# KiCad board Parallel.kicad_pcb (continued)
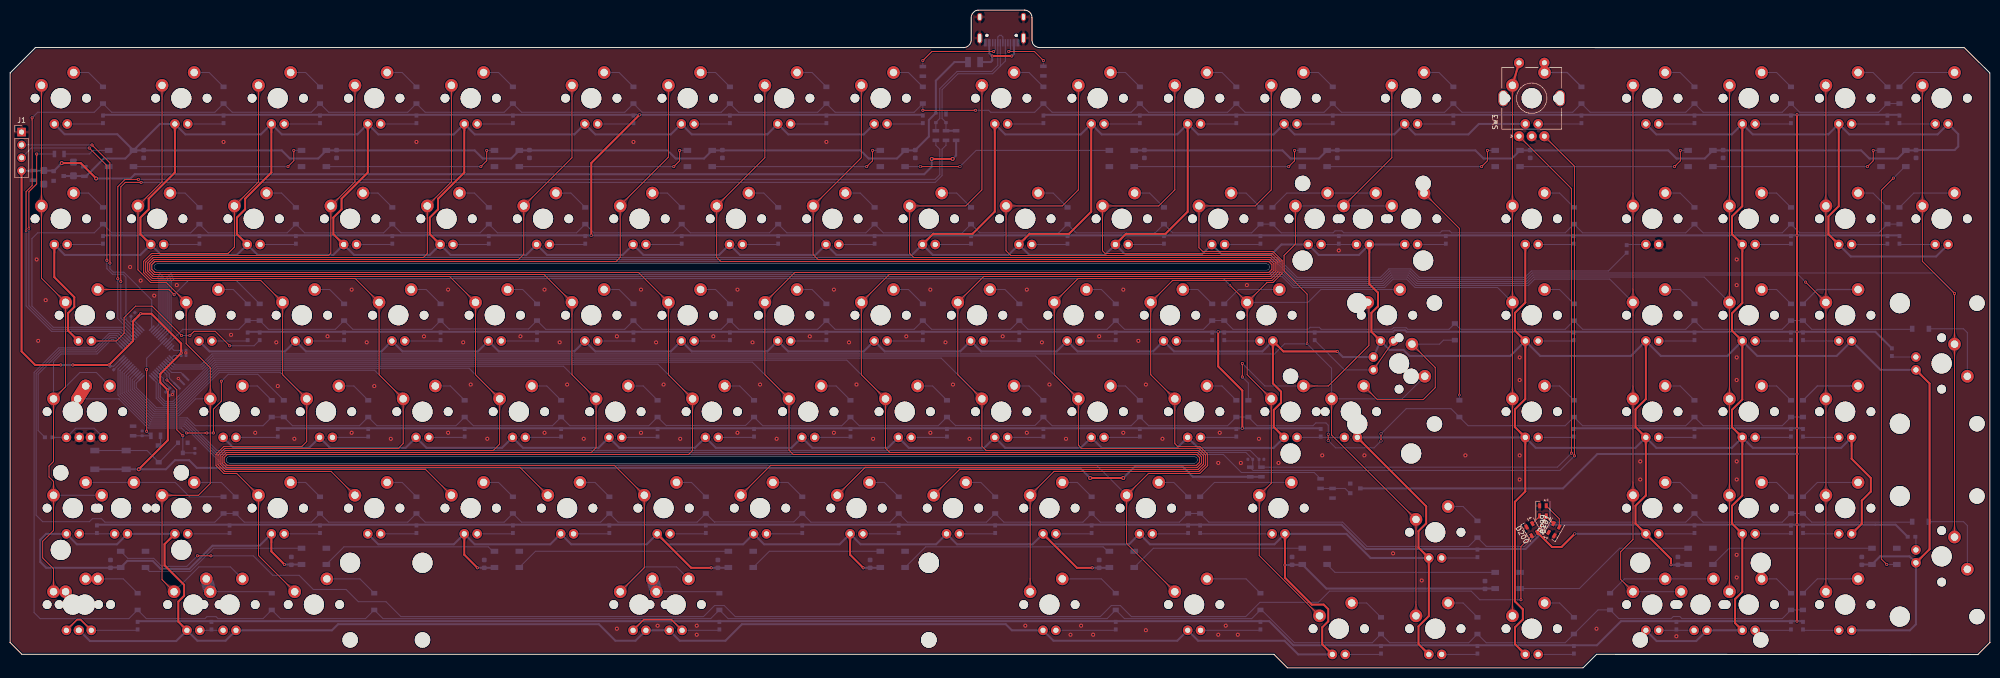
[diagram p0: board, top side]
## Copper pours and planes (outline as drawn; the poured copper is in the pictures) (continued)
Net-(D79-Pad1) on Bottom: 108.58,83.72 107.2,84.29 106.04,83.62 107.2,82.96 108.58,83.52
Net-(D80-Pad1) on Bottom: 165.73,83.72 164.35,84.29 163.19,83.62 164.35,82.96 165.73,83.52
Net-(D81-Pad1) on Bottom: 89.53,83.72 88.15,84.29 86.99,83.62 88.15,82.96 89.53,83.52
Net-(D82-Pad1) on Bottom: 146.68,83.72 145.3,84.29 144.14,83.62 145.3,82.96 146.68,83.52
Net-(D83-Pad1) on Bottom: 184.78,83.72 183.4,84.29 182.24,83.62 183.4,82.96 184.78,83.52
Net-(D84-Pad1) on Bottom: 70.48,83.72 69.1,84.29 67.94,83.62 69.1,82.96 70.48,83.52
Net-(D85-Pad1) on Bottom: 127.63,83.72 126.25,84.29 125.09,83.62 126.25,82.96 127.63,83.52
Net-(D86-Pad1) on Bottom: 203.83,83.72 202.45,84.29 201.29,83.62 202.45,82.96 203.83,83.52
Net-(D87-Pad1) on Bottom: 51.43,83.72 50.05,84.29 48.89,83.62 50.05,82.96 51.43,83.52
Net-(D88-Pad1) on Bottom: 378.15,107.33 379.52,106.77 380.68,107.43 379.52,108.1 378.15,107.53
Net-(D89-Pad1) on Bottom: 222.88,83.72 221.5,84.29 220.34,83.62 221.5,82.96 222.88,83.52
Net-(D90-Pad1) on Bottom: 32.38,83.72 31,84.29 29.84,83.62 31,82.96 32.38,83.52
Net-(D91-Pad1) on Bottom: 365.75,107.53 364.37,108.1 363.22,107.43 364.37,106.77 365.75,107.33
Net-(D92-Pad1) on Bottom: 241.93,83.72 240.55,84.29 239.39,83.62 240.55,82.96 241.93,83.52
Net-(D93-Pad1) on Bottom: 13.33,83.72 11.95,84.29 10.79,83.62 11.95,82.96 13.33,83.52
Net-(D94-Pad1) on Bottom: 346.7,107.53 345.32,108.1 344.17,107.43 345.32,106.77 346.7,107.33
Net-(D96-Pad1) on Bottom: 46.67,45.62 45.29,46.19 44.13,45.52 45.29,44.86 46.67,45.42
Net-(D97-Pad1) on Bottom: 280.03,83.72 278.65,84.29 277.49,83.62 278.65,82.96 280.03,83.52
Net-(D98-Pad1) on Bottom: 175.25,64.67 173.88,65.24 172.72,64.57 173.88,63.9 175.25,64.47
Net-(D99-Pad1) on Bottom: 65.72,45.62 64.34,46.19 63.18,45.52 64.34,44.86 65.72,45.42
Net-(D100-Pad1) on Bottom: 41.9,64.67 40.52,65.24 39.37,64.57 40.52,63.91 41.9,64.47
Net-(D101-Pad1) on Bottom: 137.15,64.67 135.77,65.24 134.62,64.57 135.77,63.91 137.15,64.47
Net-(D102-Pad1) on Bottom: 118.1,64.67 116.73,65.24 115.57,64.57 116.73,63.9 118.1,64.47
Net-(D103-Pad2) on Bottom: 9.05,45.42 10.43,44.85 11.59,45.52 10.43,46.19 9.05,45.62
Net-(D103-Pad2) on Bottom: 16.89,46.91 17.46,45.53 18.75,45.19 18.4,46.47 17.03,47.05
Net-(D103-Pad2) on Bottom: 12.5,47.05 11.12,46.47 10.77,45.18 12.06,45.53 12.64,46.91
Net-(D104-Pad1) on Bottom: 156.2,64.67 154.83,65.24 153.67,64.57 154.83,63.9 156.2,64.47
Net-(D105-Pad1) on Bottom: 80,64.67 78.62,65.24 77.47,64.57 78.62,63.91 80,64.47
Net-(D106-Pad1) on Top: 18.09,64.67 16.71,65.24 15.56,64.57 16.71,63.91 18.09,64.47
Net-(D107-Pad1) on Bottom: 84.77,45.62 83.39,46.19 82.23,45.52 83.39,44.85 84.77,45.42
Net-(D108-Pad1) on Bottom: 60.95,64.67 59.58,65.24 58.42,64.57 59.58,63.9 60.95,64.47
Net-(D109-Pad1) on Bottom: 103.82,45.62 102.44,46.19 101.28,45.52 102.44,44.86 103.82,45.42
Net-(D110-Pad1) on Bottom: 99.05,64.67 97.67,65.24 96.52,64.57 97.67,63.91 99.05,64.47
Net-(D111-Pad1) on Bottom: 260.98,83.72 259.6,84.29 258.44,83.62 259.6,82.96 260.98,83.52
Net-(D111-Pad1) on Bottom: 263.85,83.52 265.23,82.96 266.38,83.62 265.23,84.29 263.85,83.72
Net-(D113-Pad1) on Top: 270.33,60.6 269.08,59.8 268.97,58.47 270.17,59.04 270.5,60.49
Net-(D113-Pad1) on Top: 272.12,62.82 273.37,63.63 273.48,64.96 272.27,64.39 271.95,62.94
Net-(D113-Pad1) on Bottom: 267.18,58.76 268.56,58.19 269.72,58.86 268.56,59.52 267.18,58.96
Net-(D115-Pad1) on Bottom: 346.7,64.67 345.32,65.24 344.17,64.57 345.32,63.91 346.7,64.47
Net-(D116-Pad1) on Bottom: 378.15,83.52 379.52,82.96 380.68,83.62 379.52,84.29 378.15,83.72
Net-(D117-Pad1) on Bottom: 247.18,26.37 248.56,25.8 249.71,26.47 248.56,27.14 247.18,26.57
Net-(D118-Pad1) on Bottom: 359.1,64.47 360.47,63.91 361.63,64.57 360.47,65.24 359.1,64.67
Net-(D119-Pad1) on Bottom: 199.07,45.62 197.69,46.19 196.53,45.52 197.69,44.86 199.07,45.42
Net-(D120-Pad1) on Bottom: 151.44,26.57 150.06,27.14 148.91,26.47 150.06,25.8 151.44,26.37
Net-(D121-Pad1) on Bottom: 141.92,45.62 140.54,46.19 139.38,45.52 140.54,44.86 141.92,45.42
Net-(D122-Pad1) on Bottom: 365.75,83.72 364.37,84.29 363.22,83.62 364.37,82.96 365.75,83.52
Net-(D123-Pad1) on Bottom: 303.84,64.67 302.46,65.24 301.31,64.57 302.46,63.91 303.84,64.47
Net-(D124-Pad1) on Bottom: 180.02,45.62 178.64,46.19 177.48,45.52 178.64,44.86 180.02,45.42
Net-(D125-Pad1) on Bottom: 208.59,26.57 207.21,27.14 206.06,26.47 207.21,25.8 208.59,26.37
Net-(D126-Pad1) on Bottom: 346.7,45.62 345.33,46.19 344.17,45.52 345.33,44.85 346.7,45.42
Net-(D127-Pad1) on Bottom: 303.84,45.62 302.46,46.19 301.31,45.52 302.46,44.86 303.84,45.42
Net-(D128-Pad1) on Bottom: 213.35,64.67 211.97,65.24 210.82,64.57 211.97,63.91 213.35,64.47
Net-(D129-Pad1) on Bottom: 160.97,45.62 159.59,46.19 158.43,45.52 159.59,44.86 160.97,45.42
Net-(D130-Pad1) on Bottom: 359.1,45.42 360.48,44.85 361.63,45.52 360.48,46.19 359.1,45.62
Net-(D131-Pad1) on Bottom: 327.65,64.67 326.27,65.24 325.12,64.57 326.27,63.91 327.65,64.47
Net-(D132-Pad1) on Bottom: 261.47,45.42 262.84,44.85 264,45.52 262.84,46.19 261.47,45.62
Net-(D132-Pad1) on Bottom: 256.22,45.62 254.84,46.19 253.68,45.52 254.84,44.85 256.22,45.42
Net-(D133-Pad1) on Bottom: 232.4,64.67 231.02,65.24 229.87,64.57 231.02,63.91 232.4,64.47
Net-(D134-Pad1) on Bottom: 244.8,64.47 246.17,63.91 247.33,64.57 246.17,65.24 244.8,64.67
Net-(D135-Pad1) on Bottom: 170.49,26.57 169.11,27.14 167.96,26.47 169.11,25.8 170.49,26.37
Net-(D136-Pad1) on Bottom: 132.39,26.57 131.01,27.14 129.86,26.47 131.01,25.8 132.39,26.37
Net-(D137-Pad1) on Bottom: 327.65,45.62 326.27,46.19 325.12,45.52 326.27,44.86 327.65,45.42
Net-(D139-Pad1) on Bottom: 218.12,45.62 216.74,46.19 215.58,45.52 216.74,44.86 218.12,45.42
Net-(D140-Pad1) on Bottom: 227.64,26.57 226.26,27.14 225.11,26.47 226.26,25.8 227.64,26.37
Net-(D141-Pad1) on Bottom: 189.54,26.57 188.16,27.14 187.01,26.47 188.16,25.8 189.54,26.37
Net-(D142-Pad1) on Bottom: 346.7,83.72 345.32,84.29 344.17,83.62 345.32,82.96 346.7,83.52
Net-(D143-Pad1) on Bottom: 194.3,64.67 192.92,65.24 191.77,64.57 192.92,63.91 194.3,64.47
Net-(D144-Pad1) on Bottom: 122.87,45.62 121.49,46.19 120.33,45.52 121.49,44.86 122.87,45.42
Net-(D145-Pad1) on Bottom: 374.34,61.3 375.72,60.73 376.87,61.4 375.72,62.06 374.34,61.5
Net-(D146-Pad1) on Bottom: 237.17,45.62 235.79,46.19 234.63,45.52 235.79,44.86 237.17,45.42
Net-(D147-Pad2) on Bottom: 321,83.52 322.37,82.96 323.53,83.62 322.37,84.29 321,83.72
Net-(D148-Pad1) on Bottom: 303.84,83.72 302.46,84.29 301.31,83.62 302.46,82.96 303.84,83.52
Net-(D149-Pad2) on Bottom: 16.11,53.24 16.04,53.24 15.96,53.25 15.89,53.25 15.82,53.26 15.75,53.26 15.67,53.27 15.61,53.28 15.54,53.3 15.47,53.31 15.4,53.33 15.33,53.35 15.27,53.37 15.2,53.39 15.14,53.41 15.08,53.44 15.01,53.46 14.95,53.49 14.89,53.52 14.83,53.55 14.77,53.59 14.71,53.62 14.66,53.66 14.6,53.7 14.54,53.74 14.49,53.78 14.44,53.82 14.38,53.87 14.33,53.92 14.28,53.97 14.23,54.02 12.71,53.14 14.23,52.27 14.28,52.32 14.33,52.37 14.38,52.41 14.44,52.46 14.49,52.5 14.54,52.55 14.6,52.59 14.66,52.63 14.71,52.66 14.77,52.7 14.83,52.73 14.89,52.76 14.95,52.79 15.01,52.82 15.08,52.85 15.14,52.87 15.2,52.9 15.27,52.92 15.33,52.94 15.4,52.96 15.47,52.97 15.54,52.99 15.61,53 15.67,53.01 15.75,53.02 15.82,53.03 15.89,53.03 15.96,53.04 16.04,53.04 16.11,53.04
Net-(D150-Pad2) on Bottom: 48.65,55.78 48.58,55.78 48.51,55.79 48.43,55.79 48.36,55.8 48.29,55.8 48.22,55.81 48.15,55.82 48.08,55.84 48.01,55.85 47.94,55.87 47.88,55.89 47.81,55.91 47.75,55.93 47.68,55.95 47.62,55.98 47.56,56 47.5,56.03 47.44,56.06 47.38,56.09 47.32,56.13 47.26,56.16 47.2,56.2 47.14,56.24 47.09,56.28 47.03,56.32 46.98,56.36 46.93,56.41 46.87,56.46 46.82,56.51 46.77,56.56 45.25,55.68 46.77,54.81 46.82,54.86 46.87,54.91 46.93,54.95 46.98,55 47.03,55.04 47.09,55.09 47.14,55.13 47.2,55.17 47.26,55.2 47.32,55.24 47.38,55.27 47.44,55.3 47.5,55.33 47.56,55.36 47.62,55.39 47.68,55.41 47.75,55.44 47.81,55.46 47.88,55.48 47.94,55.5 48.01,55.51 48.08,55.53 48.15,55.54 48.22,55.55 48.29,55.56 48.36,55.57 48.43,55.57 48.51,55.58 48.58,55.58 48.65,55.58
Net-(D151-Pad2) on Bottom: 67.7,55.78 67.63,55.78 67.56,55.79 67.48,55.79 67.41,55.8 67.34,55.8 67.27,55.81 67.2,55.82 67.13,55.84 67.06,55.85 66.99,55.87 66.93,55.89 66.86,55.91 66.8,55.93 66.73,55.95 66.67,55.98 66.61,56 66.55,56.03 66.49,56.06 66.43,56.09 66.37,56.13 66.31,56.16 66.25,56.2 66.19,56.24 66.14,56.28 66.08,56.32 66.03,56.36 65.98,56.41 65.92,56.46 65.87,56.51 65.82,56.56 64.3,55.68 65.82,54.81 65.87,54.86 65.92,54.91 65.98,54.95 66.03,55 66.08,55.04 66.14,55.09 66.19,55.13 66.25,55.17 66.31,55.2 66.37,55.24 66.43,55.27 66.49,55.3 66.55,55.33 66.61,55.36 66.67,55.39 66.73,55.41 66.8,55.44 66.86,55.46 66.93,55.48 66.99,55.5 67.06,55.51 67.13,55.53 67.2,55.54 67.27,55.55 67.34,55.56 67.41,55.57 67.48,55.57 67.56,55.58 67.63,55.58 67.7,55.58
Net-(D152-Pad2) on Bottom: 86.75,55.78 86.68,55.78 86.61,55.79 86.53,55.79 86.46,55.8 86.39,55.8 86.32,55.81 86.25,55.82 86.18,55.84 86.11,55.85 86.04,55.87 85.98,55.89 85.91,55.91 85.85,55.93 85.78,55.95 85.72,55.98 85.66,56 85.6,56.03 85.54,56.06 85.48,56.09 85.42,56.13 85.36,56.16 85.3,56.2 85.24,56.24 85.19,56.28 85.13,56.32 85.08,56.36 85.03,56.41 84.97,56.46 84.92,56.51 84.87,56.56 83.35,55.68 84.87,54.81 84.92,54.86 84.97,54.91 85.03,54.95 85.08,55 85.13,55.04 85.19,55.09 85.24,55.13 85.3,55.17 85.36,55.2 85.42,55.24 85.48,55.27 85.54,55.3 85.6,55.33 85.66,55.36 85.72,55.39 85.78,55.41 85.85,55.44 85.91,55.46 85.98,55.48 86.04,55.5 86.11,55.51 86.18,55.53 86.25,55.54 86.32,55.55 86.39,55.56 86.46,55.57 86.53,55.57 86.61,55.58 86.68,55.58 86.75,55.58
Net-(D153-Pad2) on Bottom: 105.8,55.78 105.73,55.78 105.66,55.79 105.58,55.79 105.51,55.8 105.44,55.8 105.37,55.81 105.3,55.82 105.23,55.84 105.16,55.85 105.09,55.87 105.03,55.89 104.96,55.91 104.9,55.93 104.83,55.95 104.77,55.98 104.71,56 104.65,56.03 104.59,56.06 104.53,56.09 104.47,56.13 104.41,56.16 104.35,56.2 104.29,56.24 104.24,56.28 104.18,56.32 104.13,56.36 104.08,56.41 104.02,56.46 103.97,56.51 103.92,56.56 102.4,55.68 103.92,54.81 103.97,54.86 104.02,54.91 104.08,54.95 104.13,55 104.18,55.04 104.24,55.09 104.29,55.13 104.35,55.17 104.41,55.2 104.47,55.24 104.53,55.27 104.59,55.3 104.65,55.33 104.71,55.36 104.77,55.39 104.83,55.41 104.9,55.44 104.96,55.46 105.03,55.48 105.09,55.5 105.16,55.51 105.23,55.53 105.3,55.54 105.37,55.55 105.44,55.56 105.51,55.57 105.58,55.57 105.66,55.58 105.73,55.58 105.8,55.58
Net-(D154-Pad2) on Bottom: 124.85,55.78 124.78,55.78 124.71,55.79 124.63,55.79 124.56,55.8 124.49,55.8 124.42,55.81 124.35,55.82 124.28,55.84 124.21,55.85 124.14,55.87 124.08,55.89 124.01,55.91 123.95,55.93 123.88,55.95 123.82,55.98 123.76,56 123.7,56.03 123.64,56.06 123.58,56.09 123.52,56.13 123.46,56.16 123.4,56.2 123.34,56.24 123.29,56.28 123.23,56.32 123.18,56.36 123.13,56.41 123.07,56.46 123.02,56.51 122.97,56.56 121.45,55.68 122.97,54.81 123.02,54.86 123.07,54.91 123.13,54.95 123.18,55 123.23,55.04 123.29,55.09 123.34,55.13 123.4,55.17 123.46,55.2 123.52,55.24 123.58,55.27 123.64,55.3 123.7,55.33 123.76,55.36 123.82,55.39 123.88,55.41 123.95,55.44 124.01,55.46 124.08,55.48 124.14,55.5 124.21,55.51 124.28,55.53 124.35,55.54 124.42,55.55 124.49,55.56 124.56,55.57 124.63,55.57 124.71,55.58 124.78,55.58 124.85,55.58
Net-(D155-Pad2) on Bottom: 143.9,55.78 143.83,55.78 143.76,55.79 143.68,55.79 143.61,55.8 143.54,55.8 143.47,55.81 143.4,55.82 143.33,55.84 143.26,55.85 143.19,55.87 143.13,55.89 143.06,55.91 143,55.93 142.93,55.95 142.87,55.98 142.81,56 142.75,56.03 142.69,56.06 142.63,56.09 142.57,56.13 142.51,56.16 142.45,56.2 142.39,56.24 142.34,56.28 142.28,56.32 142.23,56.36 142.18,56.41 142.12,56.46 142.07,56.51 142.02,56.56 140.5,55.68 142.02,54.81 142.07,54.86 142.12,54.91 142.18,54.95 142.23,55 142.28,55.04 142.34,55.09 142.39,55.13 142.45,55.17 142.51,55.2 142.57,55.24 142.63,55.27 142.69,55.3 142.75,55.33 142.81,55.36 142.87,55.39 142.93,55.41 143,55.44 143.06,55.46 143.13,55.48 143.19,55.5 143.26,55.51 143.33,55.53 143.4,55.54 143.47,55.55 143.54,55.56 143.61,55.57 143.68,55.57 143.76,55.58 143.83,55.58 143.9,55.58
Net-(D156-Pad2) on Bottom: 162.95,55.78 162.88,55.78 162.81,55.79 162.73,55.79 162.66,55.8 162.59,55.8 162.52,55.81 162.45,55.82 162.38,55.84 162.31,55.85 162.24,55.87 162.18,55.89 162.11,55.91 162.05,55.93 161.98,55.95 161.92,55.98 161.86,56 161.8,56.03 161.74,56.06 161.68,56.09 161.62,56.13 161.56,56.16 161.5,56.2 161.44,56.24 161.39,56.28 161.33,56.32 161.28,56.36 161.23,56.41 161.17,56.46 161.12,56.51 161.07,56.56 159.55,55.68 161.07,54.81 161.12,54.86 161.17,54.91 161.23,54.95 161.28,55 161.33,55.04 161.39,55.09 161.44,55.13 161.5,55.17 161.56,55.2 161.62,55.24 161.68,55.27 161.74,55.3 161.8,55.33 161.86,55.36 161.92,55.39 161.98,55.41 162.05,55.44 162.11,55.46 162.18,55.48 162.24,55.5 162.31,55.51 162.38,55.53 162.45,55.54 162.52,55.55 162.59,55.56 162.66,55.57 162.73,55.57 162.81,55.58 162.88,55.58 162.95,55.58
Net-(D157-Pad2) on Bottom: 182,55.78 181.93,55.78 181.86,55.79 181.78,55.79 181.71,55.8 181.64,55.8 181.57,55.81 181.5,55.82 181.43,55.84 181.36,55.85 181.29,55.87 181.23,55.89 181.16,55.91 181.1,55.93 181.03,55.95 180.97,55.98 180.91,56 180.85,56.03 180.79,56.06 180.73,56.09 180.67,56.13 180.61,56.16 180.55,56.2 180.49,56.24 180.44,56.28 180.38,56.32 180.33,56.36 180.28,56.41 180.22,56.46 180.17,56.51 180.12,56.56 178.6,55.68 180.12,54.81 180.17,54.86 180.22,54.91 180.28,54.95 180.33,55 180.38,55.04 180.44,55.09 180.49,55.13 180.55,55.17 180.61,55.2 180.67,55.24 180.73,55.27 180.79,55.3 180.85,55.33 180.91,55.36 180.97,55.39 181.03,55.41 181.1,55.44 181.16,55.46 181.23,55.48 181.29,55.5 181.36,55.51 181.43,55.53 181.5,55.54 181.57,55.55 181.64,55.56 181.71,55.57 181.78,55.57 181.86,55.58 181.93,55.58 182,55.58
Net-(D158-Pad2) on Bottom: 201.05,55.78 200.98,55.78 200.91,55.79 200.83,55.79 200.76,55.8 200.69,55.8 200.62,55.81 200.55,55.82 200.48,55.84 200.41,55.85 200.34,55.87 200.28,55.89 200.21,55.91 200.15,55.93 200.08,55.95 200.02,55.98 199.96,56 199.9,56.03 199.84,56.06 199.78,56.09 199.72,56.13 199.66,56.16 199.6,56.2 199.54,56.24 199.49,56.28 199.43,56.32 199.38,56.36 199.33,56.41 199.27,56.46 199.22,56.51 199.17,56.56 197.65,55.68 199.17,54.81 199.22,54.86 199.27,54.91 199.33,54.95 199.38,55 199.43,55.04 199.49,55.09 199.54,55.13 199.6,55.17 199.66,55.2 199.72,55.24 199.78,55.27 199.84,55.3 199.9,55.33 199.96,55.36 200.02,55.39 200.08,55.41 200.15,55.44 200.21,55.46 200.28,55.48 200.34,55.5 200.41,55.51 200.48,55.53 200.55,55.54 200.62,55.55 200.69,55.56 200.76,55.57 200.83,55.57 200.91,55.58 200.98,55.58 201.05,55.58
Net-(D159-Pad2) on Bottom: 220.1,55.78 220.03,55.78 219.96,55.79 219.88,55.79 219.81,55.8 219.74,55.8 219.67,55.81 219.6,55.82 219.53,55.84 219.46,55.85 219.39,55.87 219.33,55.89 219.26,55.91 219.2,55.93 219.13,55.95 219.07,55.98 219.01,56 218.95,56.03 218.89,56.06 218.83,56.09 218.77,56.13 218.71,56.16 218.65,56.2 218.59,56.24 218.54,56.28 218.48,56.32 218.43,56.36 218.38,56.41 218.32,56.46 218.27,56.51 218.22,56.56 216.7,55.68 218.22,54.81 218.27,54.86 218.32,54.91 218.38,54.95 218.43,55 218.48,55.04 218.54,55.09 218.59,55.13 218.65,55.17 218.71,55.2 218.77,55.24 218.83,55.27 218.89,55.3 218.95,55.33 219.01,55.36 219.07,55.39 219.13,55.41 219.2,55.44 219.26,55.46 219.33,55.48 219.39,55.5 219.46,55.51 219.53,55.53 219.6,55.54 219.67,55.55 219.74,55.56 219.81,55.57 219.88,55.57 219.96,55.58 220.03,55.58 220.1,55.58
Net-(D160-Pad2) on Bottom: 239.15,55.78 239.08,55.78 239.01,55.79 238.93,55.79 238.86,55.8 238.79,55.8 238.72,55.81 238.65,55.82 238.58,55.84 238.51,55.85 238.44,55.87 238.38,55.89 238.31,55.91 238.25,55.93 238.18,55.95 238.12,55.98 238.06,56 238,56.03 237.94,56.06 237.88,56.09 237.82,56.13 237.76,56.16 237.7,56.2 237.64,56.24 237.59,56.28 237.53,56.32 237.48,56.36 237.43,56.41 237.37,56.46 237.32,56.51 237.27,56.56 235.75,55.68 237.27,54.81 237.32,54.86 237.37,54.91 237.43,54.95 237.48,55 237.53,55.04 237.59,55.09 237.64,55.13 237.7,55.17 237.76,55.2 237.82,55.24 237.88,55.27 237.94,55.3 238,55.33 238.06,55.36 238.12,55.39 238.18,55.41 238.25,55.44 238.31,55.46 238.38,55.48 238.44,55.5 238.51,55.51 238.58,55.53 238.65,55.54 238.72,55.55 238.79,55.56 238.86,55.57 238.93,55.57 239.01,55.58 239.08,55.58 239.15,55.58
Net-(D161-Pad2) on Top: 258.2,55.78 258.13,55.78 258.06,55.79 257.98,55.79 257.91,55.8 257.84,55.8 257.77,55.81 257.7,55.82 257.63,55.84 257.56,55.85 257.5,55.87 257.43,55.89 257.36,55.91 257.3,55.93 257.23,55.95 257.17,55.98 257.11,56 257.05,56.03 256.99,56.06 256.93,56.09 256.87,56.13 256.81,56.16 256.75,56.2 256.69,56.24 256.64,56.28 256.58,56.32 256.53,56.36 256.48,56.41 256.42,56.46 256.37,56.51 256.32,56.56 254.8,55.68 256.32,54.81 256.37,54.86 256.42,54.91 256.48,54.95 256.53,55 256.58,55.04 256.64,55.09 256.69,55.13 256.75,55.16 256.81,55.2 256.87,55.24 256.93,55.27 256.99,55.3 257.05,55.33 257.11,55.36 257.17,55.39 257.23,55.41 257.3,55.44 257.36,55.46 257.43,55.48 257.5,55.5 257.56,55.51 257.63,55.53 257.7,55.54 257.77,55.55 257.84,55.56 257.91,55.57 257.98,55.57 258.06,55.58 258.13,55.58 258.2,55.58
Net-(D161-Pad2) on Top: 268.46,69.42 268.44,69.49 268.43,69.56 268.42,69.64 268.41,69.71 268.41,69.78 268.41,69.85 268.41,69.92 268.41,69.99 268.41,70.06 268.42,70.12 268.42,70.19 268.43,70.26 268.45,70.32 268.46,70.39 268.48,70.45 268.5,70.51 268.52,70.57 268.54,70.63 268.57,70.69 268.6,70.75 268.63,70.81 268.66,70.87 268.7,70.92 268.73,70.98 268.77,71.04 268.81,71.09 268.86,71.14 268.9,71.2 268.95,71.25 269,71.3 268.13,72.82 267.25,71.3 267.3,71.25 267.35,71.2 267.4,71.14 267.45,71.09 267.5,71.04 267.54,70.98 267.58,70.92 267.63,70.87 267.67,70.81 267.71,70.75 267.75,70.69 267.79,70.63 267.82,70.57 267.86,70.51 267.89,70.45 267.92,70.39 267.96,70.32 267.99,70.26 268.02,70.19 268.04,70.12 268.07,70.06 268.1,69.99 268.12,69.92 268.14,69.85 268.17,69.78 268.19,69.71 268.21,69.64 268.22,69.56 268.24,69.49 268.26,69.42
Net-(D161-Pad2) on Bottom: 252.65,55.58 252.73,55.58 252.8,55.58 252.87,55.57 252.94,55.57 253.02,55.56 253.09,55.55 253.16,55.54 253.23,55.53 253.29,55.51 253.36,55.5 253.43,55.48 253.49,55.46 253.56,55.44 253.62,55.41 253.68,55.39 253.75,55.36 253.81,55.33 253.87,55.3 253.93,55.27 253.99,55.24 254.05,55.2 254.1,55.16 254.16,55.13 254.22,55.09 254.27,55.04 254.33,55 254.38,54.95 254.43,54.91 254.48,54.86 254.54,54.81 256.05,55.68 254.54,56.56 254.48,56.51 254.43,56.46 254.38,56.41 254.33,56.36 254.27,56.32 254.22,56.28 254.16,56.24 254.1,56.2 254.05,56.16 253.99,56.13 253.93,56.09 253.87,56.06 253.81,56.03 253.75,56 253.68,55.98 253.62,55.95 253.56,55.93 253.49,55.91 253.43,55.89 253.36,55.87 253.29,55.85 253.23,55.84 253.16,55.82 253.09,55.81 253.02,55.8 252.94,55.8 252.87,55.79 252.8,55.79 252.73,55.78 252.65,55.78
Net-(D162-Pad2) on Top: 281.27,91.89 281.22,91.94 281.17,92 281.12,92.05 281.08,92.11 281.03,92.16 280.99,92.22 280.95,92.28 280.91,92.33 280.87,92.39 280.83,92.45 280.8,92.51 280.77,92.57 280.74,92.63 280.71,92.69 280.68,92.76 280.66,92.82 280.63,92.88 280.61,92.95 280.59,93.01 280.57,93.08 280.56,93.14 280.54,93.21 280.53,93.28 280.52,93.35 280.51,93.42 280.5,93.49 280.5,93.56 280.49,93.63 280.49,93.7 280.49,93.77 278.8,94.22 279.25,92.53 279.32,92.53 279.4,92.53 279.47,92.53 279.54,92.52 279.61,92.51 279.68,92.5 279.74,92.49 279.81,92.48 279.88,92.47 279.94,92.45 280.01,92.43 280.07,92.41 280.14,92.39 280.2,92.37 280.27,92.34 280.33,92.31 280.39,92.29 280.45,92.25 280.51,92.22 280.57,92.19 280.63,92.15 280.69,92.11 280.75,92.07 280.8,92.03 280.86,91.99 280.92,91.95 280.97,91.9 281.03,91.85 281.08,91.8 281.13,91.75
Net-(D163-Pad2) on Bottom: 305.83,55.78 305.75,55.78 305.68,55.79 305.61,55.79 305.54,55.8 305.46,55.8 305.39,55.81 305.32,55.82 305.26,55.84 305.19,55.85 305.12,55.87 305.05,55.89 304.99,55.91 304.92,55.93 304.86,55.95 304.8,55.98 304.73,56 304.67,56.03 304.61,56.06 304.55,56.09 304.49,56.13 304.43,56.16 304.38,56.2 304.32,56.24 304.26,56.28 304.21,56.32 304.15,56.36 304.1,56.41 304.05,56.46 304,56.51 303.94,56.56 302.43,55.68 303.94,54.81 304,54.86 304.05,54.91 304.1,54.95 304.15,55 304.21,55.04 304.26,55.09 304.32,55.13 304.38,55.17 304.43,55.2 304.49,55.24 304.55,55.27 304.61,55.3 304.67,55.33 304.73,55.36 304.8,55.39 304.86,55.41 304.92,55.44 304.99,55.46 305.05,55.48 305.12,55.5 305.19,55.51 305.26,55.53 305.32,55.54 305.39,55.55 305.46,55.56 305.54,55.57 305.61,55.57 305.68,55.58 305.75,55.58 305.83,55.58
Net-(D164-Pad2) on Bottom: 329.64,55.78 329.57,55.78 329.49,55.79 329.42,55.79 329.35,55.8 329.28,55.8 329.21,55.81 329.14,55.82 329.07,55.84 329,55.85 328.93,55.87 328.87,55.89 328.8,55.91 328.74,55.93 328.67,55.95 328.61,55.98 328.55,56 328.48,56.03 328.42,56.06 328.36,56.09 328.3,56.13 328.25,56.16 328.19,56.2 328.13,56.24 328.08,56.28 328.02,56.32 327.97,56.36 327.91,56.41 327.86,56.46 327.81,56.51 327.76,56.56 326.24,55.68 327.76,54.81 327.81,54.86 327.86,54.91 327.91,54.95 327.97,55 328.02,55.04 328.08,55.09 328.13,55.13 328.19,55.17 328.25,55.2 328.3,55.24 328.36,55.27 328.42,55.3 328.48,55.33 328.55,55.36 328.61,55.39 328.67,55.41 328.74,55.44 328.8,55.46 328.87,55.48 328.93,55.5 329,55.51 329.07,55.53 329.14,55.54 329.21,55.55 329.28,55.56 329.35,55.57 329.42,55.57 329.49,55.58 329.57,55.58 329.64,55.58
Net-(D165-Pad2) on Bottom: 348.69,55.78 348.62,55.78 348.54,55.79 348.47,55.79 348.4,55.8 348.33,55.8 348.26,55.81 348.19,55.82 348.12,55.84 348.05,55.85 347.98,55.87 347.92,55.89 347.85,55.91 347.79,55.93 347.72,55.95 347.66,55.98 347.6,56 347.54,56.03 347.47,56.06 347.41,56.09 347.36,56.13 347.3,56.16 347.24,56.2 347.18,56.24 347.13,56.28 347.07,56.32 347.02,56.36 346.96,56.41 346.91,56.46 346.86,56.51 346.81,56.56 345.29,55.68 346.81,54.81 346.86,54.86 346.91,54.91 346.96,54.95 347.02,55 347.07,55.04 347.13,55.09 347.18,55.13 347.24,55.16 347.3,55.2 347.36,55.24 347.41,55.27 347.47,55.3 347.54,55.33 347.6,55.36 347.66,55.39 347.72,55.41 347.79,55.44 347.85,55.46 347.92,55.48 347.98,55.5 348.05,55.51 348.12,55.53 348.19,55.54 348.26,55.55 348.33,55.56 348.4,55.57 348.47,55.57 348.54,55.58 348.62,55.58 348.69,55.58
Net-(D166-Pad2) on Bottom: 362.25,55.56 362.32,55.56 362.39,55.55 362.46,55.55 362.53,55.54 362.6,55.54 362.67,55.53 362.74,55.52 362.8,55.5 362.87,55.49 362.94,55.47 363,55.46 363.06,55.44 363.13,55.42 363.19,55.39 363.25,55.37 363.31,55.34 363.37,55.32 363.43,55.29 363.49,55.26 363.54,55.22 363.6,55.19 363.66,55.15 363.71,55.12 363.76,55.08 363.82,55.04 363.87,54.99 363.92,54.95 363.97,54.9 364.02,54.86 364.07,54.81 365.59,55.68 364.07,56.56 364.02,56.51 363.97,56.46 363.92,56.41 363.87,56.37 363.82,56.33 363.76,56.29 363.71,56.25 363.66,56.21 363.6,56.17 363.54,56.14 363.49,56.11 363.43,56.08 363.37,56.05 363.31,56.02 363.25,55.99 363.19,55.97 363.13,55.95 363.06,55.93 363,55.91 362.94,55.89 362.87,55.87 362.8,55.86 362.74,55.85 362.67,55.84 362.6,55.83 362.53,55.82 362.46,55.81 362.39,55.81 362.32,55.81 362.25,55.81
Net-(D167-Pad2) on Bottom: 386.46,60.36 386.45,60.29 386.45,60.21 386.45,60.14 386.44,60.07 386.43,60 386.42,59.93 386.41,59.86 386.4,59.79 386.39,59.72 386.37,59.65 386.35,59.59 386.33,59.52 386.31,59.46 386.29,59.39 386.26,59.33 386.24,59.27 386.21,59.21 386.18,59.15 386.14,59.09 386.11,59.03 386.08,58.97 386.04,58.91 386,58.85 385.96,58.8 385.92,58.74 385.87,58.69 385.83,58.63 385.78,58.58 385.73,58.53 385.68,58.48 386.56,56.96 387.43,58.48 387.38,58.53 387.33,58.58 387.28,58.63 387.24,58.69 387.19,58.74 387.15,58.8 387.11,58.85 387.07,58.91 387.04,58.97 387,59.03 386.97,59.09 386.93,59.15 386.9,59.21 386.88,59.27 386.85,59.33 386.82,59.39 386.8,59.46 386.78,59.52 386.76,59.59 386.74,59.65 386.73,59.72 386.71,59.79 386.7,59.86 386.69,59.93 386.68,60 386.67,60.07 386.66,60.14 386.66,60.21 386.66,60.29 386.66,60.36
Net-(D168-Pad2) on Bottom: 286.78,12.92 286.7,12.92 286.63,12.92 286.56,12.93 286.49,12.93 286.41,12.94 286.34,12.95 286.27,12.96 286.21,12.97 286.14,12.99 286.07,13.01 286,13.02 285.94,13.04 285.87,13.06 285.81,13.09 285.75,13.11 285.68,13.14 285.62,13.17 285.56,13.2 285.5,13.23 285.44,13.26 285.38,13.3 285.33,13.34 285.27,13.37 285.21,13.42 285.16,13.46 285.1,13.5 285.05,13.55 285,13.59 284.95,13.64 284.9,13.69 283.38,12.82 284.9,11.94 284.95,11.99 285,12.04 285.05,12.09 285.1,12.14 285.16,12.18 285.21,12.22 285.27,12.26 285.33,12.3 285.38,12.34 285.44,12.37 285.5,12.41 285.56,12.44 285.62,12.47 285.68,12.5 285.75,12.53 285.81,12.55 285.87,12.57 285.94,12.6 286,12.61 286.07,12.63 286.14,12.65 286.21,12.66 286.27,12.68 286.34,12.69 286.41,12.7 286.49,12.71 286.56,12.71 286.63,12.72 286.7,12.72 286.78,12.72
